# Altium PCB iTOP4412_main_Clasics_v3_2.PcbDoc (part 1 of 7)
Units mil, origin at the board's own origin, x right, y up, seen from the top; angles counter-clockwise.
Board outline 4331.71 x 7481.31 mil, 2 copper layers (TOP, BOTTOM), stack 10.4 mil thick; 260 components, 380 nets, 1380 pads, 1110 vias.
Unrouted connection lines stored in the file: 1.
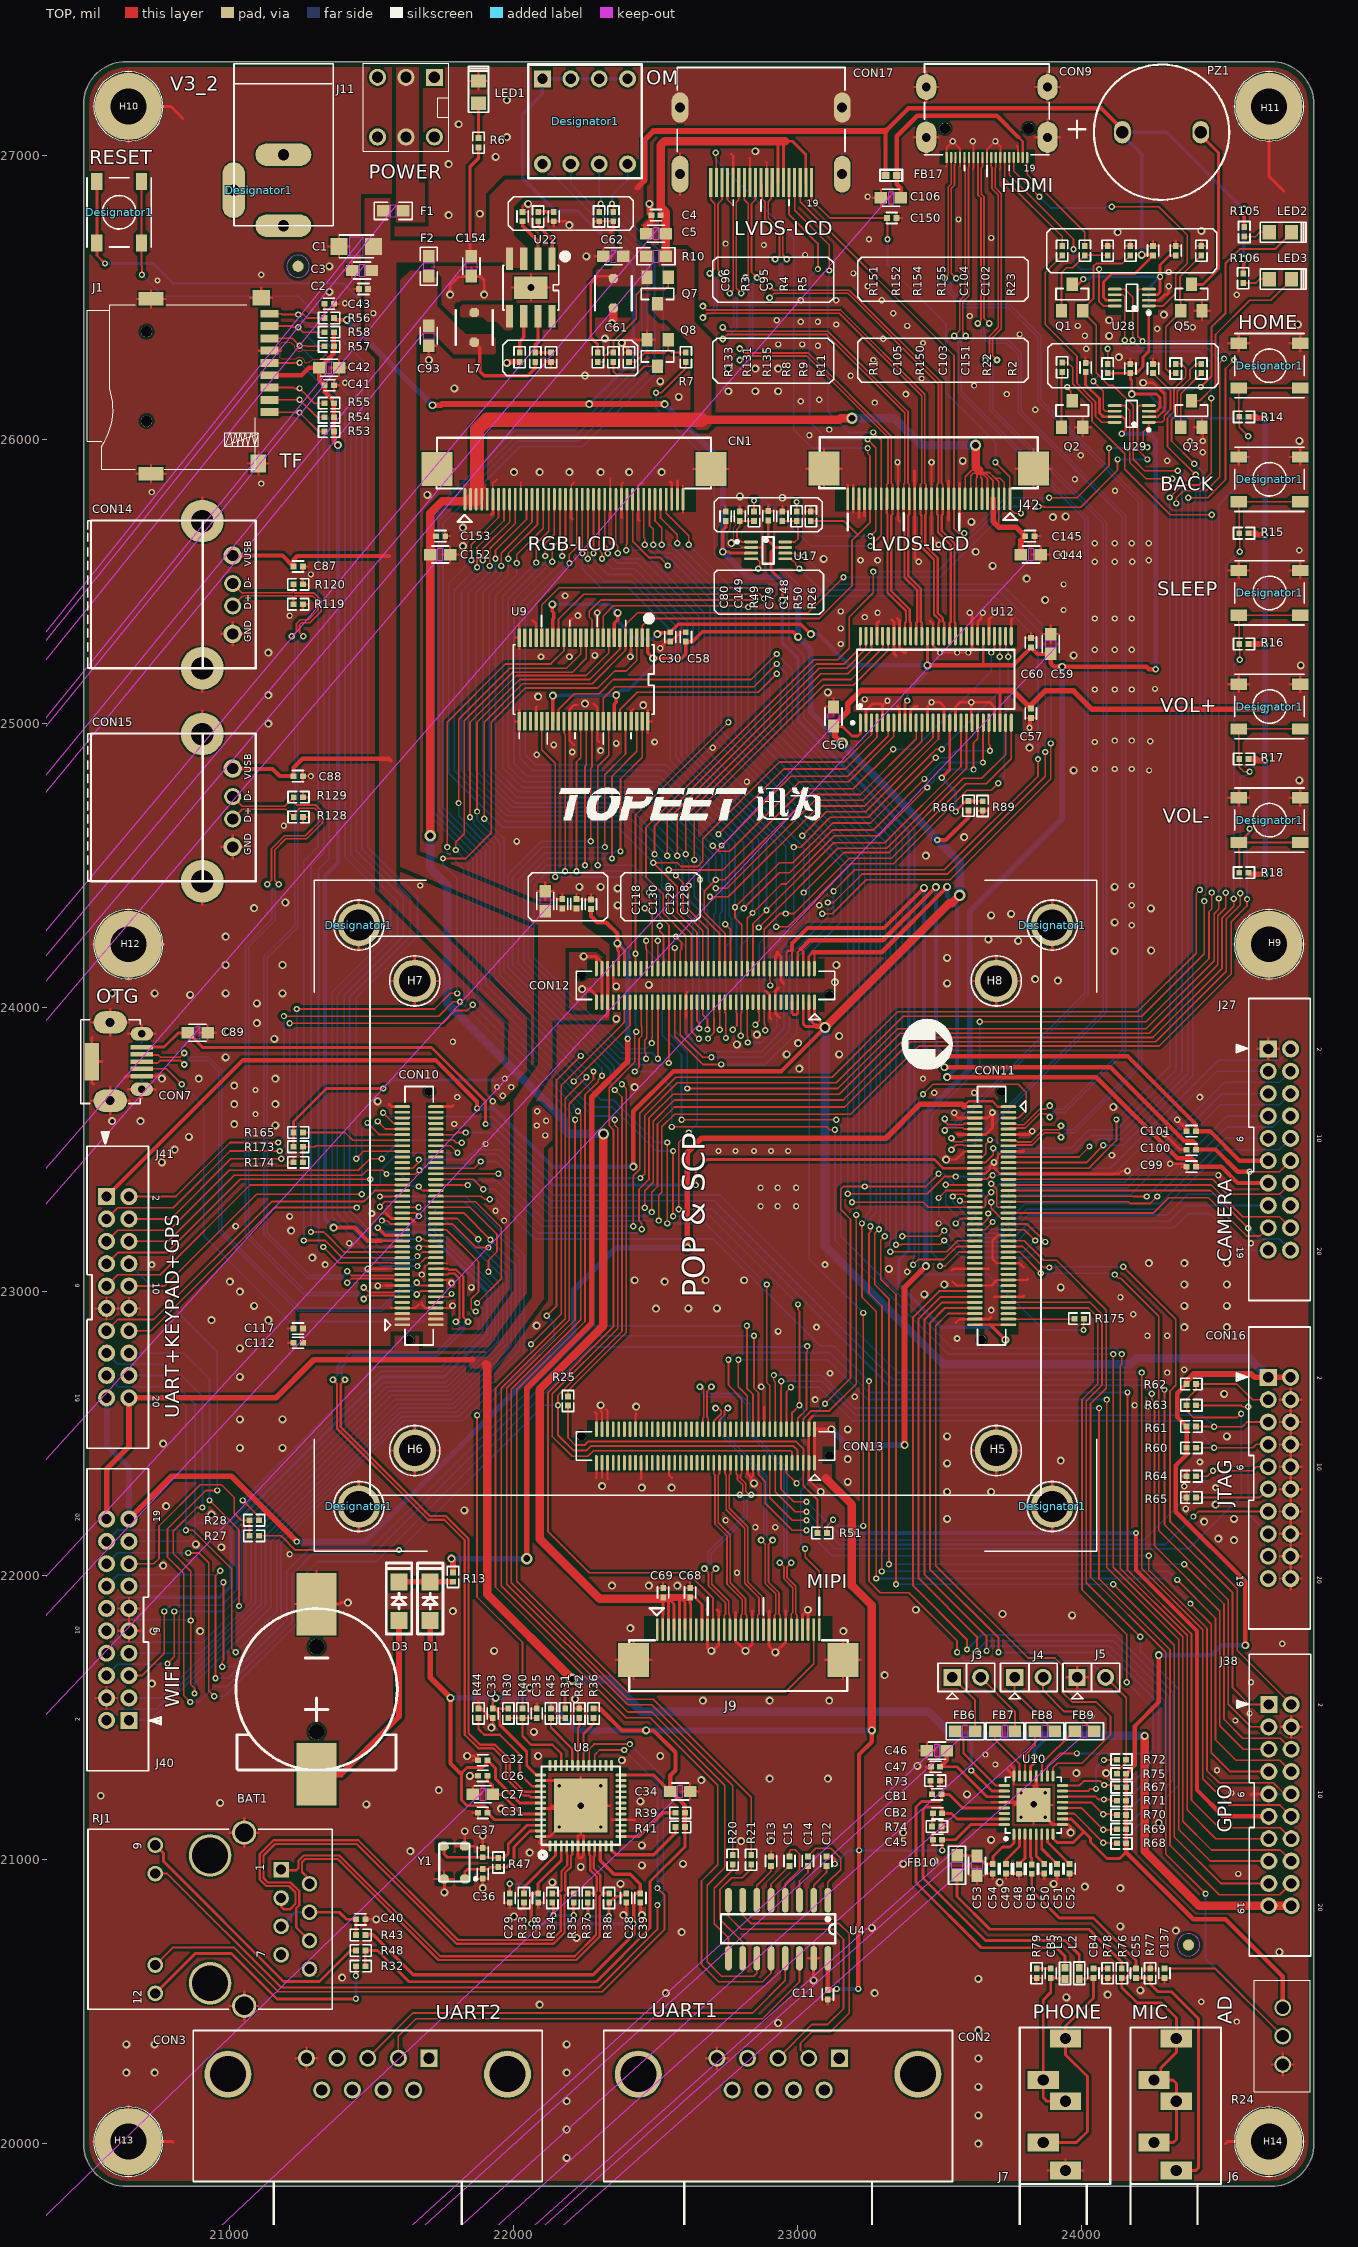
[diagram p0: TOP view]
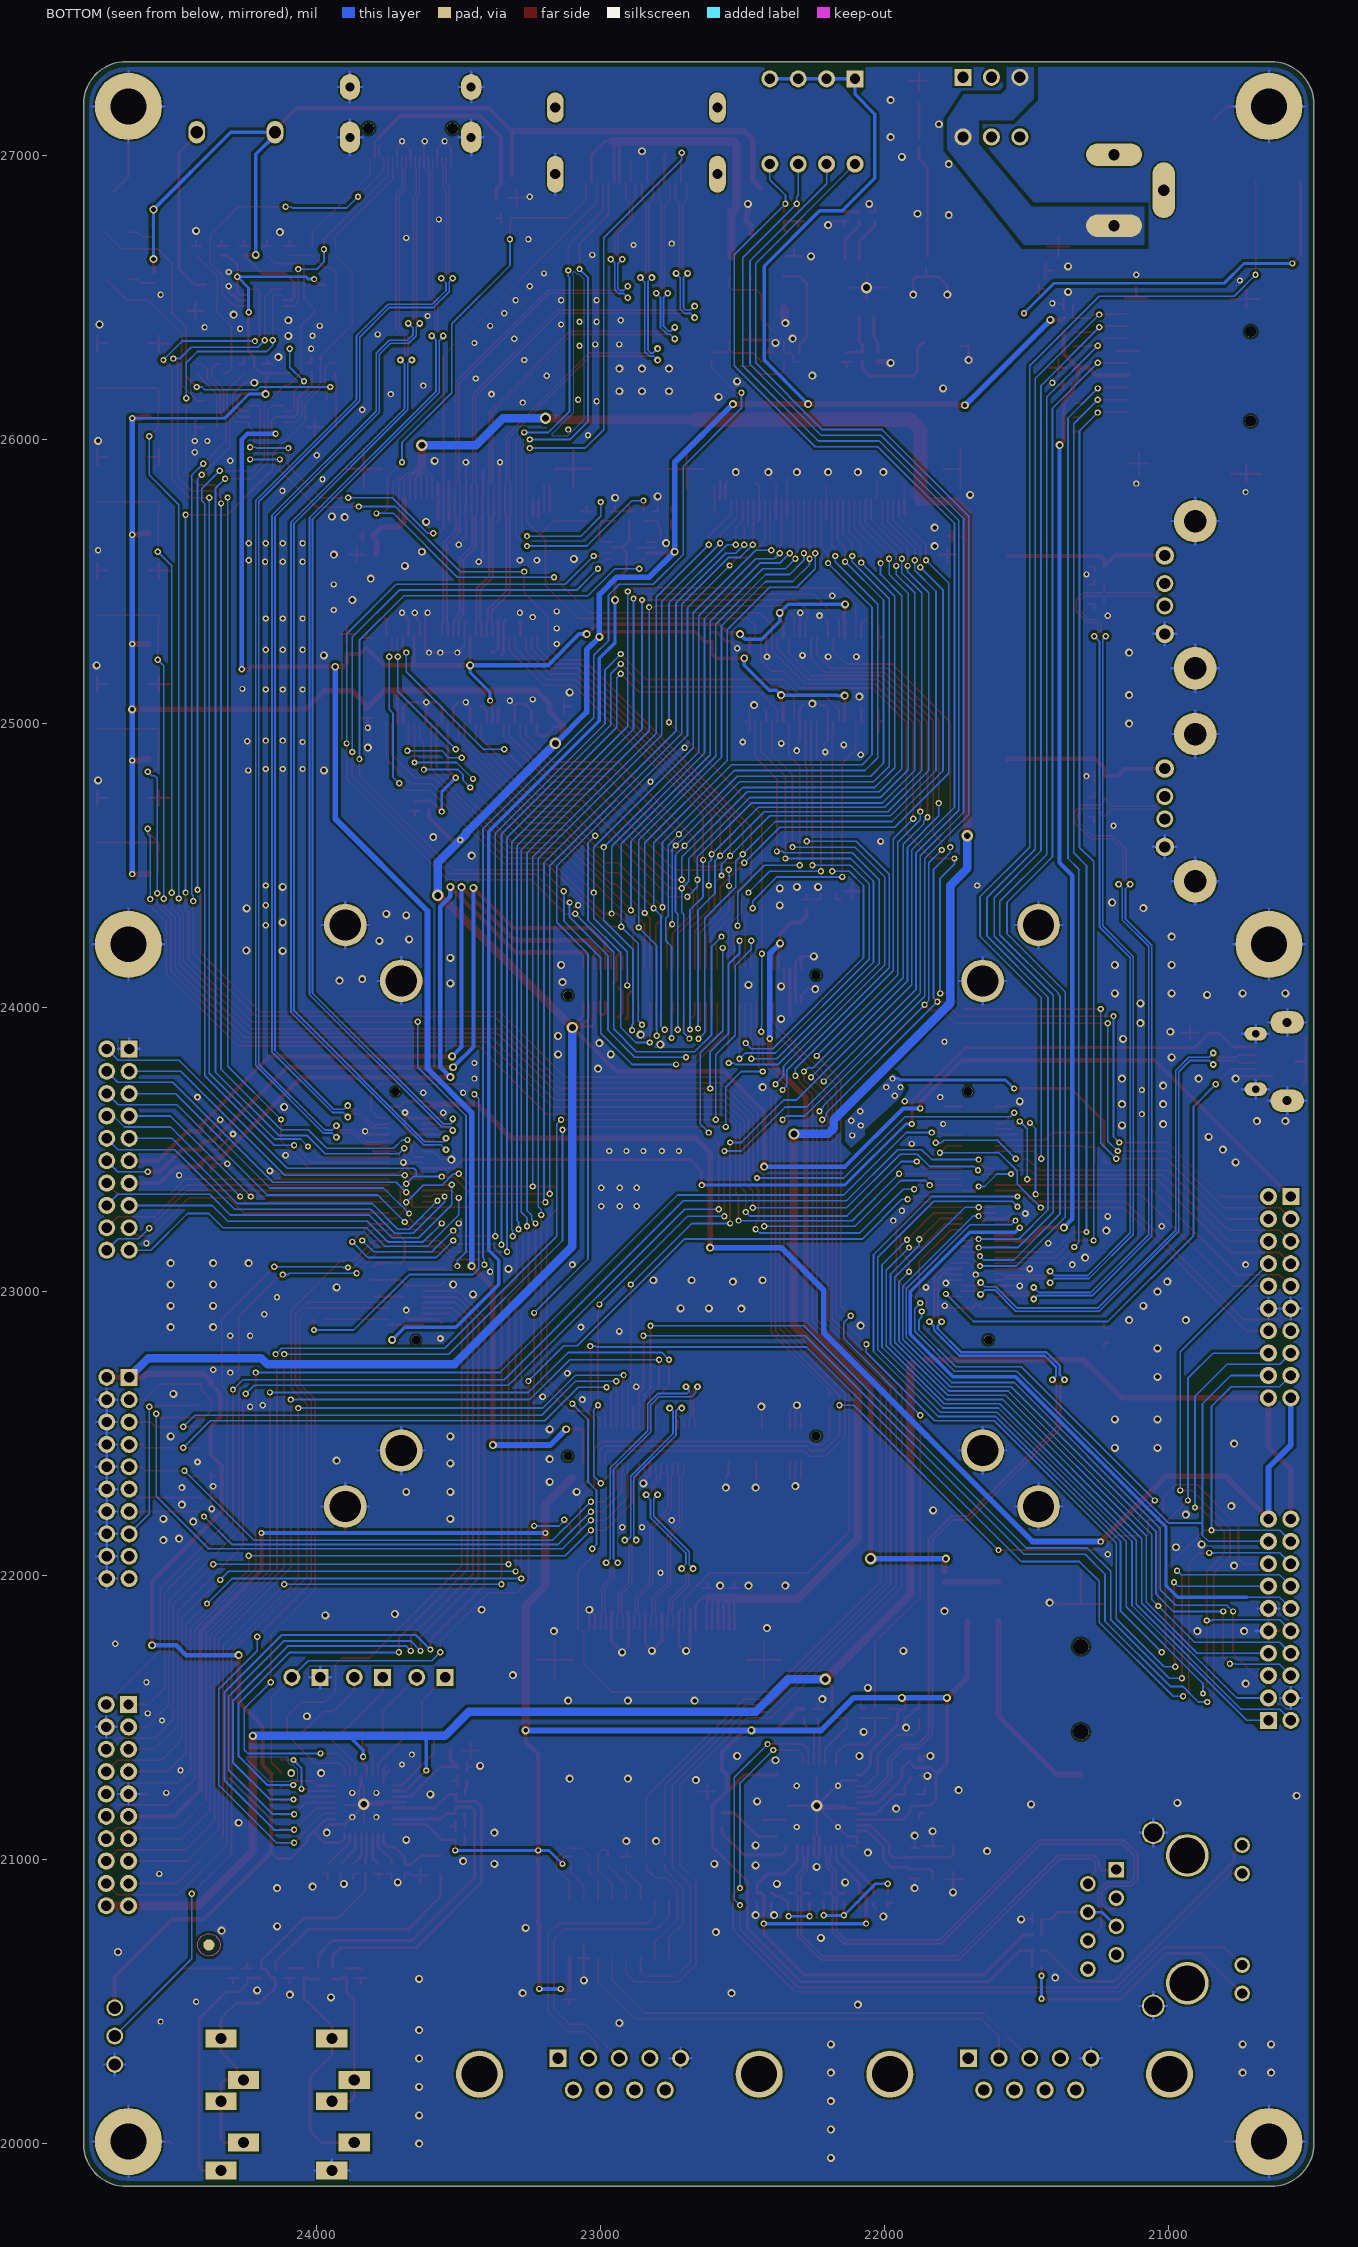
[diagram p1: BOTTOM view, seen from below]

## Layer stack, top to bottom
TOP: signal copper 1.2
Dielectric: core 8, FR-4, Dk 4.5
BOTTOM: signal copper 1.2

## Board outline
20487.35,20000.57 ccw(c20637.85,20000.57) 20637.85,19850.07 24668.56,19850.07 ccw(c24668.56,20000.57) 24819.06,20000.57 24819.06,27180.89 ccw(c24668.56,27180.89) 24668.56,27331.39 20637.85,27331.39 ccw(c20637.85,27180.89) 20487.35,27180.89

## Design rules (kind name [scope] priority, off if disabled: settings)
Clearance [All] p1: gap=10
PlaneConnect [All] p1: planeconnectstyle=Direct reliefexpansion=20 reliefentries=4 reliefconductorwidth=10 reliefairgap=10
PolygonConnect [All] p1: connectstyle=Direct reliefconductorwidth=10 reliefentries=4 polygonreliefangle="90 Angle" airgapwidth=10
RoutingVias [All] p1: holewidth=28 width=50 viastyle="Through Hole" minholewidth=28 minwidth=50 maxholewidth=28 maxwidth=50
SolderMaskExpansion [All] p1: expansion=4
Width [All] p1: maxlimit=10 minlimit=10 preferedwidth=10 impedancedriven=TRUE minimp=60.000000 maximp=60.000000 favimp=60.000000
27 further rules are at their usual default settings.

## Components (designator, comment, footprint, x,y, rotation, side; value= is the part's Value field where it differs from the comment)
BAT1 "BATTERY_0_BAT1_CR1220" BAT1 21307.85,21600.57 r270 top
C1 "CT2012_0_C1206_100UF/10V" C1206 21447.85,26680.57 r180 top
C2 "C1608_C0402_0.1UF/10V" C0402#1 21472.85,26530.57 r180 top
C3 "C1608_C0603_10UF/10V" C0603#1 21467.85,26595.57 r180 top
C4 "C0402_0_C0402_0.1UF" C0402#1 22502.85,26790.57 r180 top
C5 "C1608_C0603_10UF" C0603#2 22502.85,26725.57 r180 top
C11 "C0603_0_C0402_0.1UF" C0402#1 23107.85,20525.57 r270 top
C12 "C0603_0_C0402_0.1UF" C0402#1 23102.85,20995.57 r270 top
C13 "C0603_0_C0402_0.1UF" C0402#1 22907.85,20995.57 r90 top
C14 "C0603_0_C0402_0.1UF" C0402#1 23037.85,20995.57 r90 top
C15 "C0603_0_C0402_0.1UF" C0402#1 22972.85,20995.57 r270 top
C26 "C1608_C0402_0.1UF" C0402#1 21892.85,21295.57 r180 top
C27 "C1206_0_C0603_22UF" C0603#3 21892.85,21230.57 r180 top
C28 "C1608_C0402_0.1UF" C0402#1 22397.85,20865.57 r90 top
C29 "C1608_C0402_0.1UF" C0402#1 21987.85,20865.57 r90 top
C30 "C1608_C0402_0.1UF" C0402#1 22552.85,25305.57 r270 top
C31 "C1608_C0402_0.1UF" C0402#1 21892.85,21165.57 r180 top
C32 "C1608_C0402_0.1UF" C0402#1 21892.85,21350.57 r180 top
C33 "C1608_C0402_0.1UF" C0402#1 21927.85,21515.57 r270 top
C34 "C1206_0_C0603_22UF" C0603#4 22587.85,21240.57 r0 top
C35 "C1608_C0402_0.1UF" C0402#1 22082.85,21515.57 r270 top
C36 "CAP_1_C0402_22PF" C0402#1 21892.85,20950.57 r270 top
C37 "CAP_1_C0402_22PF" C0402#1 21892.85,21025.57 r90 top
C38 "C1608_C0402_0.1UF" C0402#1 22087.85,20865.57 r270 top
C39 "C1608_C0402_0.1UF" C0402#1 22447.85,20865.57 r270 top
C40 "C0603_0_C0402_0.1UF" C0402#1 21462.85,20790.57 r0 top
C41 "C0402_0_C0402_100NF" C0402#1 21352.85,26191.57 r0 top
C42 "C0402_0_C0603_10UF" C0603#4 21351.85,26253.57 r0 top
C43 "C0402_0_C0402_100NF" C0402#1 21351.85,26478.57 r0 top
C45 "C0603_0_C0402_2.2UF" C0402#1 23493.85,21070.57 r180 top
C46 "C0603_0_C0603_10UF" C0603#5 23491.85,21384.57 r180 top
C47 "C0603_0_C0402_0.1UF" C0402#1 23486.85,21327.57 r180 top
C48 "C0603_0_C0402_1UF" C0402#1 23780.85,20967.57 r270 top
C49 "C0603_0_C0402_1UF" C0402#1 23734.85,20968.57 r270 top
C50 "C0603_0_C0402_1UF" C0402#1 23869.85,20968.57 r270 top
C51 "C0603_0_C0402_1UF" C0402#1 23914.85,20968.57 r270 top
C52 "C0603_0_C0402_1UF" C0402#1 23958.85,20968.57 r270 top
C53 "C0603_0_C0603_10UF" C0603#6 23632.85,20979.57 r270 top
C54 "C0603_0_C0402_0.1UF" C0402#1 23688.85,20968.57 r270 top
C55 "C1608_C0402_100PF" C0402#1 24192.85,20600.57 r270 top
C56 "C1608_C0603_10UF" C0603#4 23127.85,25025.57 r90 top
C57 "C0402_0_C0402_0.1UF" C0402#1 23822.85,25036.57 r270 top
C58 "C0402_0_C0402_0.1UF" C0402#1 22607.85,25305.57 r90 top
C59 "C1608_C0603_10UF" C0603#4 23892.85,25280.57 r90 top
C60 "C0402_0_C0402_0.1UF" C0402#1 23822.85,25285.57 r90 top
C61 "C1608_L3X3MM_47UF/16V" L3X3MM 22352.85,26515.57 r270 top
C62 "C1608_C0603_10UF" C0603#7 22352.85,26645.57 r180 top
C68 "C0603_0_C0402_1UF/NC" C0402#1 22622.85,21940.57 r90 top
C69 "C0603_0_C0402_0.1UF/NC" C0402#1 22527.85,21940.57 r90 top
C79 "C0603_0_C0402_0.1UF" C0402#1 22897.85,25732.07 r90 top
C80 "C0603_0_C0402_0.1UF" C0402#1 22747.85,25730.57 r90 top
C87 "C0603_0_C0402_1UF/10V" C0402#1 21242.85,25553.57 r0 top
C88 "C0603_0_C0402_1UF/10V" C0402#1 21242.85,24815.57 r0 top
C89 "C1005_C0603_4.7UF" C0603#8 20888.85,23911.57 r180 top
C93 "C1005_C0603_22UF" C0603#9 21702.85,26365.57 r270 top
C95 "CAP NP_3_C0402_560PF_06-210594-" C0402#1 22142.85,26785.57 r270 top
C96 "CAP NP_3_C0402_10NF_06-210594-0" C0402#1 22032.85,26785.57 r90 top
C99 "C0603_0_C0402_2.2UF" C0402#1 24387.85,23440.57 r180 top
C100 "C0603_0_C0402_2.2UF" C0402#1 24387.85,23500.57 r180 top
C101 "C0603_0_C0402_2.2UF" C0402#1 24387.85,23565.57 r180 top
C102 "C0603_0_C0402_0.1UF" C0402#1 24332.85,26665.57 r90 top
C103 "C0603_0_C0402_0.1UF" C0402#1 24172.85,26250.57 r90 top
C104 "C0603_0_C0402_0.1UF/10V" C0402#1 24252.85,26665.57 r90 top
C105 "C0603_0_C0402_0.1UF" C0402#2 24012.85,26255.57 r90 top
C106 "C1608_C0603_10UF" C0603#10 23329.85,26851.57 r180 top
C112 "C0402_0_C0402_0.1UF/10V" C0402#1 21242.85,22820.57 r180 top
C117 "C0402_0_C0402_0.1UF/10V" C0402#1 21242.85,22870.57 r180 top
C118 "C1206_0_C0603_22UF/10V" C0603#4 22112.85,24375.57 r90 top
C128 "C0603_0_C0402_1UF/10V" C0402#1 22273.85,24364.57 r90 top
C129 "C0402_0_C0402_0.1UF/10V" C0402#1 22222.85,24365.89 r90 top
C130 "C0402_0_C0402_0.1UF/10V" C0402#1 22172.85,24365.89 r90 top
C137 "CAP NP_C0402_100PF" C0402#1 24292.85,20600.57 r270 top
C144 "C0603_0_C0603_1UF/NC" C0603#4 23822.85,25595.57 r0 top
C145 "C0603_0_C0402_0.1UF/NC" C0402#1 23819.35,25660.57 r0 top
C148 "C0402_0_C0402_0.1UF/NC" C0402#1 22947.85,25730.57 r90 top
C149 "C0402_0_C0402_0.1UF/NC" C0402#1 22797.85,25730.57 r90 top
C150 "C1608_C0402_0.1UF/NC" C0402#1 23332.85,26780.57 r0 top
C151 "C0603_0_C0402_0.1UF/NC" C0402#1 24252.85,26250.57 r90 top
C152 "C0603_0_C0603_1UF/NC" C0603#4 21742.85,25595.57 r0 top
C153 "C0603_0_C0402_0.1UF/NC" C0402#1 21744.35,25660.57 r0 top
C154 "CAP NP_3_C0603_10UF_06-210594-0" C0603#11 21852.85,26610.57 r270 top
CB1 "C1608_C0402_0.1UF" C0402#1 23491.85,21230.57 r180 top
CB2 "C1608_C0402_0.1UF" C0402#1 23493.85,21163.57 r180 top
CB3 "C1608_C0402_1UF" C0402#1 23825.85,20967.57 r90 top
CB4 "C1608_C0402_0.1UF" C0402#1 24042.85,20600.57 r90 top
CB5 "C1608_C0402_0.1UF" C0402#1 23892.85,20600.57 r90 top
CN1 "CON40_0_1_FPC40-050_CON40_0_5MM" FPC40-050 22212.85,25880.89 r0 top
CON2 "CON_DB9_DSUB9-RA-FE_CON_DB9" DSUB9-RA-FE 22932.85,20133.37 r270 top
CON3 "CON_DB9_DSUB9-RA-FE_CON_DB9" DSUB9-RA-FE 21487.85,20133.37 r270 top
CON7 "ZX62RD-AB-5P8_3_MICROUSB-B-H4_Z" MICROUSB-B-H4 20620.39,23810.57 r0 top
CON9 "MD60-19P_4_HDMI-C_MD60-19P" HDMI-C 23667.85,27150.57 r0 top
CON10 "CON40X2_0_8MM_CON2X40-0_5MM-BB_" CON2X40-0_5MM-BB 21668.96,23267.89 r90 top
CON11 "CON40X2_0_8MM_CON2X40-0_5MM-BB_" CON2X40-0_5MM-BB 23684.7,23267.89 r270 top
CON12 "CON40X2_0_8MM_CON2X40-0_5MM-BB_" CON2X40-0_5MM-BB 22676.83,24078.92 r180 top
CON13 "CON40X2_0_8MM_CON2X40-0_5MM-BB_" CON2X40-0_5MM-BB 22676.83,22456.87 r180 top
CON14 "USB_USB-A2_USB_A" USB-A2 20797.85,25455.57 r90 top
CON15 "USB_USB-A2_USB_A" USB-A2 20797.85,24705.57 r90 top
CON16 "HIF3F-20PA-2_54DS_HDRMS2MM-2X10" HDRMS2MM-2X10 24697.85,22344.57 r270 top
CON17 "MD60-19P_6_MD60-19P_HDMI19P" MD60-19P 22872.85,27046.97 r180 top
D1 "DIODE_D1206_IN4148" D1206 21707.85,21913.07 r270 top
D3 "DIODE_D1206_IN4148" D1206 21597.85,21913.07 r270 top
Designator1 "TP_P0_0.8_D0_HOLE2_7_TP_P0_0.8_" HOLE2_7 23897.6,24291.3 r0 top
Designator1 "TP_P0_0.8_D0_HOLE2_7_TP_P0_0.8_" HOLE2_7 23897.6,22244.05 r0 top
Designator1 "TP_P0_0.8_D0_HOLE2_7_TP_P0_0.8_" HOLE2_7 21456.65,22244.05 r0 top
Designator1 "TP_P0_0.8_D0_HOLE2_7_TP_P0_0.8_" HOLE2_7 21456.65,24291.3 r0 top
Designator1 "SW-TACT_0_SW4-SMD_KEY" SW4-SMD 24662.85,25860.57 r0 top
Designator1 "SW-TACT_0_SW4-SMD_KEY" SW4-SMD 24662.85,26260.57 r0 top
Designator1 "SW-TACT_0_SW4-SMD_KEY" SW4-SMD 24662.85,25460.57 r0 top
Designator1 "SW-4_SW4-SMD_RESET" SW4-SMD 20612.85,26800.57 r270 top
Designator1 "SW-TACT_0_SW4-SMD_KEY" SW4-SMD 24662.85,24660.57 r0 top
Designator1 "SW-TACT_0_SW4-SMD_KEY" SW4-SMD 24662.85,25060.57 r0 top
Designator1 "POWER JACK_3_JACK-2_5MM_B_POWER" JACK-2_5MM_B 21190.85,27038.57 r0 top
Designator1 "SW-3_1_BMKG4_SW-3" BMKG4 22252.85,27120.57 r0 top
F1 "FUSE_R0603_0R" R0603#1 21577.85,26805.57 r180 top
F2 "FUSE_R0603_0R/NC" R0603#2 21702.85,26610.57 r270 top
FB6 "FB1206_0_FB0603_0R" FB0603#1 23591.63,21452.83 r0 top
FB7 "FB1206_0_FB0603_0R" FB0603#1 23731.63,21452.83 r0 top
FB8 "FB1206_0_FB0603_0R" FB0603#1 23871.63,21452.83 r0 top
FB9 "FB1206_0_FB0603_0R" FB0603#1 24011.63,21452.83 r0 top
FB10 "FB1206_0_FB0603_0R" FB0603#2 23562.85,20980.57 r270 top
FB17 "HCB2012KF-300T50_1_L0402_BLM15A" L0402 23330.85,26930.57 r0 top
H5 "TP_P0_0.8_D0_HOLE2_7_TP_P0_0.8_" HOLE2_7 23700.76,22440.91 r0 top
H6 "TP_P0_0.8_D0_HOLE2_7_TP_P0_0.8_" HOLE2_7 21653.5,22440.91 r0 top
H7 "TP_P0_0.8_D0_HOLE2_7_TP_P0_0.8_" HOLE2_7 21653.5,24094.45 r0 top
H8 "TP_P0_0.8_D0_HOLE2_7_TP_P0_0.8_" HOLE2_7 23700.86,24094.45 r0 top
H9 "TP_P0_0.8_D0_HOLE3_2X6_TP_P0_0." HOLE3_2X6 24661.08,24223.41 r0 top
H10 "TP_P0_0.8_D0_HOLE3_2X6_TP_P0_0." HOLE3_2X6 20645.33,27173.41 r0 top
H11 "TP_P0_0.8_D0_HOLE3_2X6_TP_P0_0." HOLE3_2X6 24661.08,27173.41 r0 top
H12 "TP_P0_0.8_D0_HOLE3_2X6_TP_P0_0." HOLE3_2X6 20645.33,24223.41 r0 top
H13 "TP_P0_0.8_D0_HOLE3_2X6_TP_P0_0." HOLE3_2X6 20645.33,20008.05 r0 top
H14 "TP_P0_0.8_D0_HOLE3_2X6_TP_P0_0." HOLE3_2X6 24661.08,20008.05 r0 top
J1 "MS110-C10B-C16_2_TF-CARD_MS110-" TF-CARD 20927.85,26185.57 r180 top
J3 "CON2_2_54P_A4B-2PA-2_54DSA_CON2" A4B-2PA-2_54DSA 23595.85,21642.58 r90 top
J4 "CON2_2_54P_A4B-2PA-2_54DSA_CON2" A4B-2PA-2_54DSA 23815.85,21642.56 r90 top
J5 "CON2-2_54P_A4B-2PA-2_54DSA_CON2" A4B-2PA-2_54DSA 24035.85,21642.57 r90 top
J6 "JACK_AU_EAR_JACK_JACK_AU" EAR_JACK 24332.85,20055.57 r90 top
J7 "JACK_AU_EAR_JACK_JACK_AU" EAR_JACK 23942.85,20055.57 r90 top
J9 "LVDS_QM_2_FPC30-050_LVDS_QM" FPC30-050#1 22792.85,21721.57 r180 top
J11 "U-MP2012DQ_2_SWITCH_DDSZ_PS_L" SWITCH_DDSZ 21622.85,27170.57 r180 top
J27 "CON20_7_HDRMS2MM-2X10_CON_P20" HDRMS2MM-2X10 24697.85,23500.89 r270 top
J38 "CON20_8_HDRMS2MM-2X10_CON_P20" HDRMS2MM-2X10 24699.85,21192.57 r270 top
J40 "CON20_9_HDRMS2MM-2X10_CON_P20" HDRMS2MM-2X10 20607.85,21845.57 r90 top
J41 "CON20_10_HDRMS2MM-2X10_CON_P20" HDRMS2MM-2X10 20607.85,22980.89 r270 top
J42 "LVDS_QM_2_FPC30-050_LVDS_QM" FPC30-050#2 23470.66,25880.89 r0 top
L2 "LQH32C_0_L0402_0R" L0402 23992.85,20600.58 r90 top
L3 "LQH32C_0_L0402_0R" L0402 23942.85,20600.57 r90 top
L7 "LQH32C_0_L3X3MM_2.2UH" L3X3MM 21862.85,26395.57 r270 top
LED1 "LED-RED_SMD_1_LED-2012_LED-RED" LED-2012 21877.85,27225.57 r90 top
LED2 "LED-RED_SMD_1_LED-2012_LED-RED" LED-2012 24702.85,26730.57 r0 top
LED3 "LED-RED_SMD_1_LED-2012_LED-RED" LED-2012 24702.85,26565.57 r0 top
PZ1 "PIEZO BUZZER_2_SPEAKER_PIEZO BU" SPEAKER 24282.85,27082.57 r0 top
Q1 "PDTC114YE_0_SOT-23_PDTC114YE" SOT-23 23967.85,26500.57 r180 top
Q2 "L14P2/TO_1_SOT-23_L9014" SOT-23 23967.85,26090.57 r180 top
Q3 "L14P2/TO_1_SOT-23_L9014" SOT-23 24387.85,26090.57 r180 top
Q5 "L14P2/TO_1_SOT-23_L9014" SOT-23 24387.85,26500.57 r180 top
Q7 "MOSFET P_SOT-23_AO3415A" SOT-23 22508.35,26525.32 r0 top
Q8 "L14P2/TO_1_SOT-23_L9014" SOT-23 22508.35,26305.32 r0 top
R1 "R1005_0_R0402_1K" R0402 23932.85,26255.57 r90 top
R2 "R1005_0_R0402_1K" R0402 24422.85,26250.57 r90 top
R3 "R1005_0_R0402_33K/NC" R0402 22087.85,26785.57 r270 top
R4 "R1005_0_R0402_10K" R0402 22302.85,26785.57 r90 top
R5 "R1005_0_R0402_10K" R0402 22352.85,26785.57 r90 top
R6 "R1005_0_R0402_10K" R0402 21877.85,27045.57 r270 top
R7 "R1005_0_R0402_1K" R0402 22607.85,26290.57 r270 top
R8 "R1005_0_R0402_100K" R0402 22297.85,26290.57 r270 top
R9 "R1005_0_R0402_22R" R0402 22352.85,26290.57 r270 top
R10 "R1005_0_R0603_0R/NC" R0603#3 22502.85,26645.57 r0 top
R11 "R1005_0_R0402_10K/NC" R0402 22407.85,26290.57 r90 top
R13 "R_R0402_0R" R0402 21787.85,21995.57 r270 top
R14 "R1005_0_R0402_10K" R0402 24572.85,26080.57 r180 top
R15 "R1005_0_R0402_10K" R0402 24572.85,25670.57 r180 top
R16 "R1005_0_R0402_10K" R0402 24572.85,25280.57 r180 top
R17 "R1005_0_R0402_10K" R0402 24572.85,24875.57 r180 top
R18 "R1005_0_R0402_10K" R0402 24572.85,24475.57 r180 top
R20 "R1005_0_R0402_0R" R0402 22772.85,21000.57 r270 top
R21 "R1005_0_R0402_0R" R0402 22837.85,21000.57 r270 top
R22 "R_R0402_1K" R0402 24332.85,26250.57 r90 top
R23 "R_R0402_10K" R0402 24422.85,26665.57 r90 top
R24 "POT_0_SR2_54_POT" SR2_54 24707.85,20379.57 r90 top
R25 "RESISTOR_0_R0402_0R" R0402 22192.85,22615.57 r270 top
R26 "RESISTOR_0_R0402_10K" R0402 23047.85,25730.57 r270 top
R27 "R1005_0_R0402_0" R0402 21087.85,22140.57 r180 top
R28 "R1005_0_R0402_0/NC" R0402 21087.85,22195.57 r180 top
R30 "RESISTOR_0_R0402_10K/NC" R0402 21982.85,21515.57 r90 top
R31 "RESISTOR_0_R0402_15K" R0402 22182.85,21515.57 r90 top
R32 "R0603_0_R0402_330R" R0402 21462.85,20625.57 r0 top
R33 "RESISTOR_0_R0402_10K" R0402 22037.85,20865.57 r270 top
R34 "R_R0402_49.9R" R0402 22137.85,20865.57 r270 top
R35 "R_R0402_49.9R" R0402 22212.85,20865.57 r270 top
R36 "RESISTOR_0_R0402_10K" R0402 22282.85,21515.57 r270 top
R37 "R_R0402_49.9R" R0402 22262.85,20865.57 r270 top
R38 "R_R0402_49.9R" R0402 22337.85,20865.57 r270 top
R39 "RESISTOR_0_R0402_10K" R0402 22587.85,21165.57 r180 top
R40 "RESISTOR_0_R0402_0R" R0402 22032.85,21515.57 r90 top
R41 "RESISTOR_0_R0402_10K" R0402 22587.85,21115.57 r180 top
R42 "RESISTOR_0_R0402_10K" R0402 22232.85,21515.57 r270 top
R43 "10.0-1/8W-1%-0805_R0402_10R" R0402 21462.85,20735.57 r180 top
R44 "RESISTOR_0_R0402_10K" R0402 21877.85,21515.57 r270 top
R45 "RESISTOR_0_R0402_47K" R0402 22132.85,21515.57 r90 top
R47 "RESISTOR_0_R0402_1M" R0402 21947.85,20990.57 r90 top
R48 "R0603_0_R0402_330R" R0402 21462.85,20680.57 r180 top
R49 "R1005_0_R0402_0R" R0402 22847.85,25730.57 r90 top
R50 "R1005_0_R0402_0R" R0402 22997.85,25730.57 r90 top
R51 "R1005_0_R0402_0R" R0402 23087.85,22150.57 r0 top
R53 "R1005_0_R0402_47K" R0402 21351.85,26028.57 r0 top
R54 "R1005_0_R0402_47K" R0402 21351.85,26078.57 r0 top
R55 "R1005_0_R0402_10K" R0402 21351.85,26128.57 r0 top
R56 "R1005_0_R0402_47K" R0402 21351.85,26428.57 r0 top
R57 "R1005_0_R0402_47K" R0402 21351.85,26328.57 r0 top
R58 "R1005_0_R0402_47K" R0402 21351.85,26378.57 r0 top
R60 "R1005_0_R0402_NC" R0402 24387.85,22450.57 r180 top
R61 "R1005_0_R0402_NC" R0402 24387.85,22525.57 r180 top
R62 "R1005_0_R0402_NC" R0402 24387.85,22675.57 r180 top
R63 "R1005_0_R0402_NC" R0402 24387.85,22600.57 r180 top
R64 "R1005_0_R0402_NC" R0402 24387.85,22350.57 r0 top
R65 "R1005_0_R0402_NC" R0402 24387.85,22275.57 r0 top
R67 "R_R0402_10K" R0402 24141.85,21255.57 r180 top
R68 "R_R0402_10K" R0402 24141.63,21057.83 r180 top
R69 "R_R0402_10K" R0402 24141.63,21107.83 r180 top
R70 "R_R0402_10K" R0402 24141.63,21157.83 r180 top
R71 "R_R0402_10K" R0402 24141.63,21207.83 r180 top
R72 "R_R0402_0R" R0402 24141.85,21352.57 r180 top
R73 "R1005_0_R0402_20R" R0402 23485.85,21278.57 r0 top
R74 "R1005_0_R0402_20R" R0402 23491.85,21117.57 r0 top
R75 "R1005_0_R0402_10K" R0402 24141.85,21303.57 r0 top
R76 "R1005_0_R0402_2.2K" R0402 24142.85,20600.57 r270 top
R77 "R1005_0_R0402_2.2K" R0402 24242.85,20600.57 r90 top
R78 "R1005_0_R0402_20R" R0402 24092.85,20600.57 r270 top
R79 "R1005_0_R0402_20R" R0402 23842.85,20600.57 r270 top
R86 "R1005_0_R0402_10K" R0402 23602.85,24710.89 r90 top
R89 "R1005_0_R0402_NC" R0402 23652.85,24710.57 r270 top
R105 "R1005_0_R0402_1K" R0402 24573.85,26731.57 r90 top
R106 "R1005_0_R0402_1K" R0402 24569.85,26568.57 r90 top
R119 "R1005_0_R0402_15K" R0402 21242.85,25420.57 r180 top
R120 "R1005_0_R0402_15K" R0402 21242.85,25490.57 r180 top
R128 "R1005_0_R0402_15K" R0402 21243.85,24671.57 r180 top
R129 "R1005_0_R0402_15K" R0402 21243.85,24741.57 r180 top
R131 "R1005_0_R0402_NC" R0402 22077.85,26290.57 r90 top
R133 "R1005_0_R0402_510K  1%" R0402 22022.85,26290.57 r270 top
R135 "R1005_0_R0402_NC" R0402 22132.85,26290.57 r270 top
R150 "R0603_0_R0402_10K" R0402 24092.85,26250.57 r90 top
R151 "R1005_0_R0402_33R" R0402 23932.85,26665.57 r90 top
R152 "R1005_0_R0402_1K" R0402 24012.85,26665.57 r90 top
R154 "R1005_0_R0402_47K" R0402 24092.85,26665.57 r270 top
R155 "R1005_0_R0402_1K" R0402 24172.85,26665.57 r90 top
R165 "R1005_0_R0402_800K" R0402 21242.85,23560.57 r180 top
R173 "R1005_0_R0402_800K/NC" R0402 21242.85,23510.57 r180 top
R174 "R1005_0_R0402_0R" R0402 21242.85,23455.57 r0 top
R175 "R1005_0_R0402_0" R0402 23992.85,22905.57 r180 top
RJ1 "HR911105A_0_RJ8-SRLBY_HR911105A" RJ8-SRLBY 20932.85,20790.57 r90 top